# Allegro board RK_NVR_DEMO1_RK3588_LP4XD200P232SD8_V21_20211228_final_lint.brd (continued)
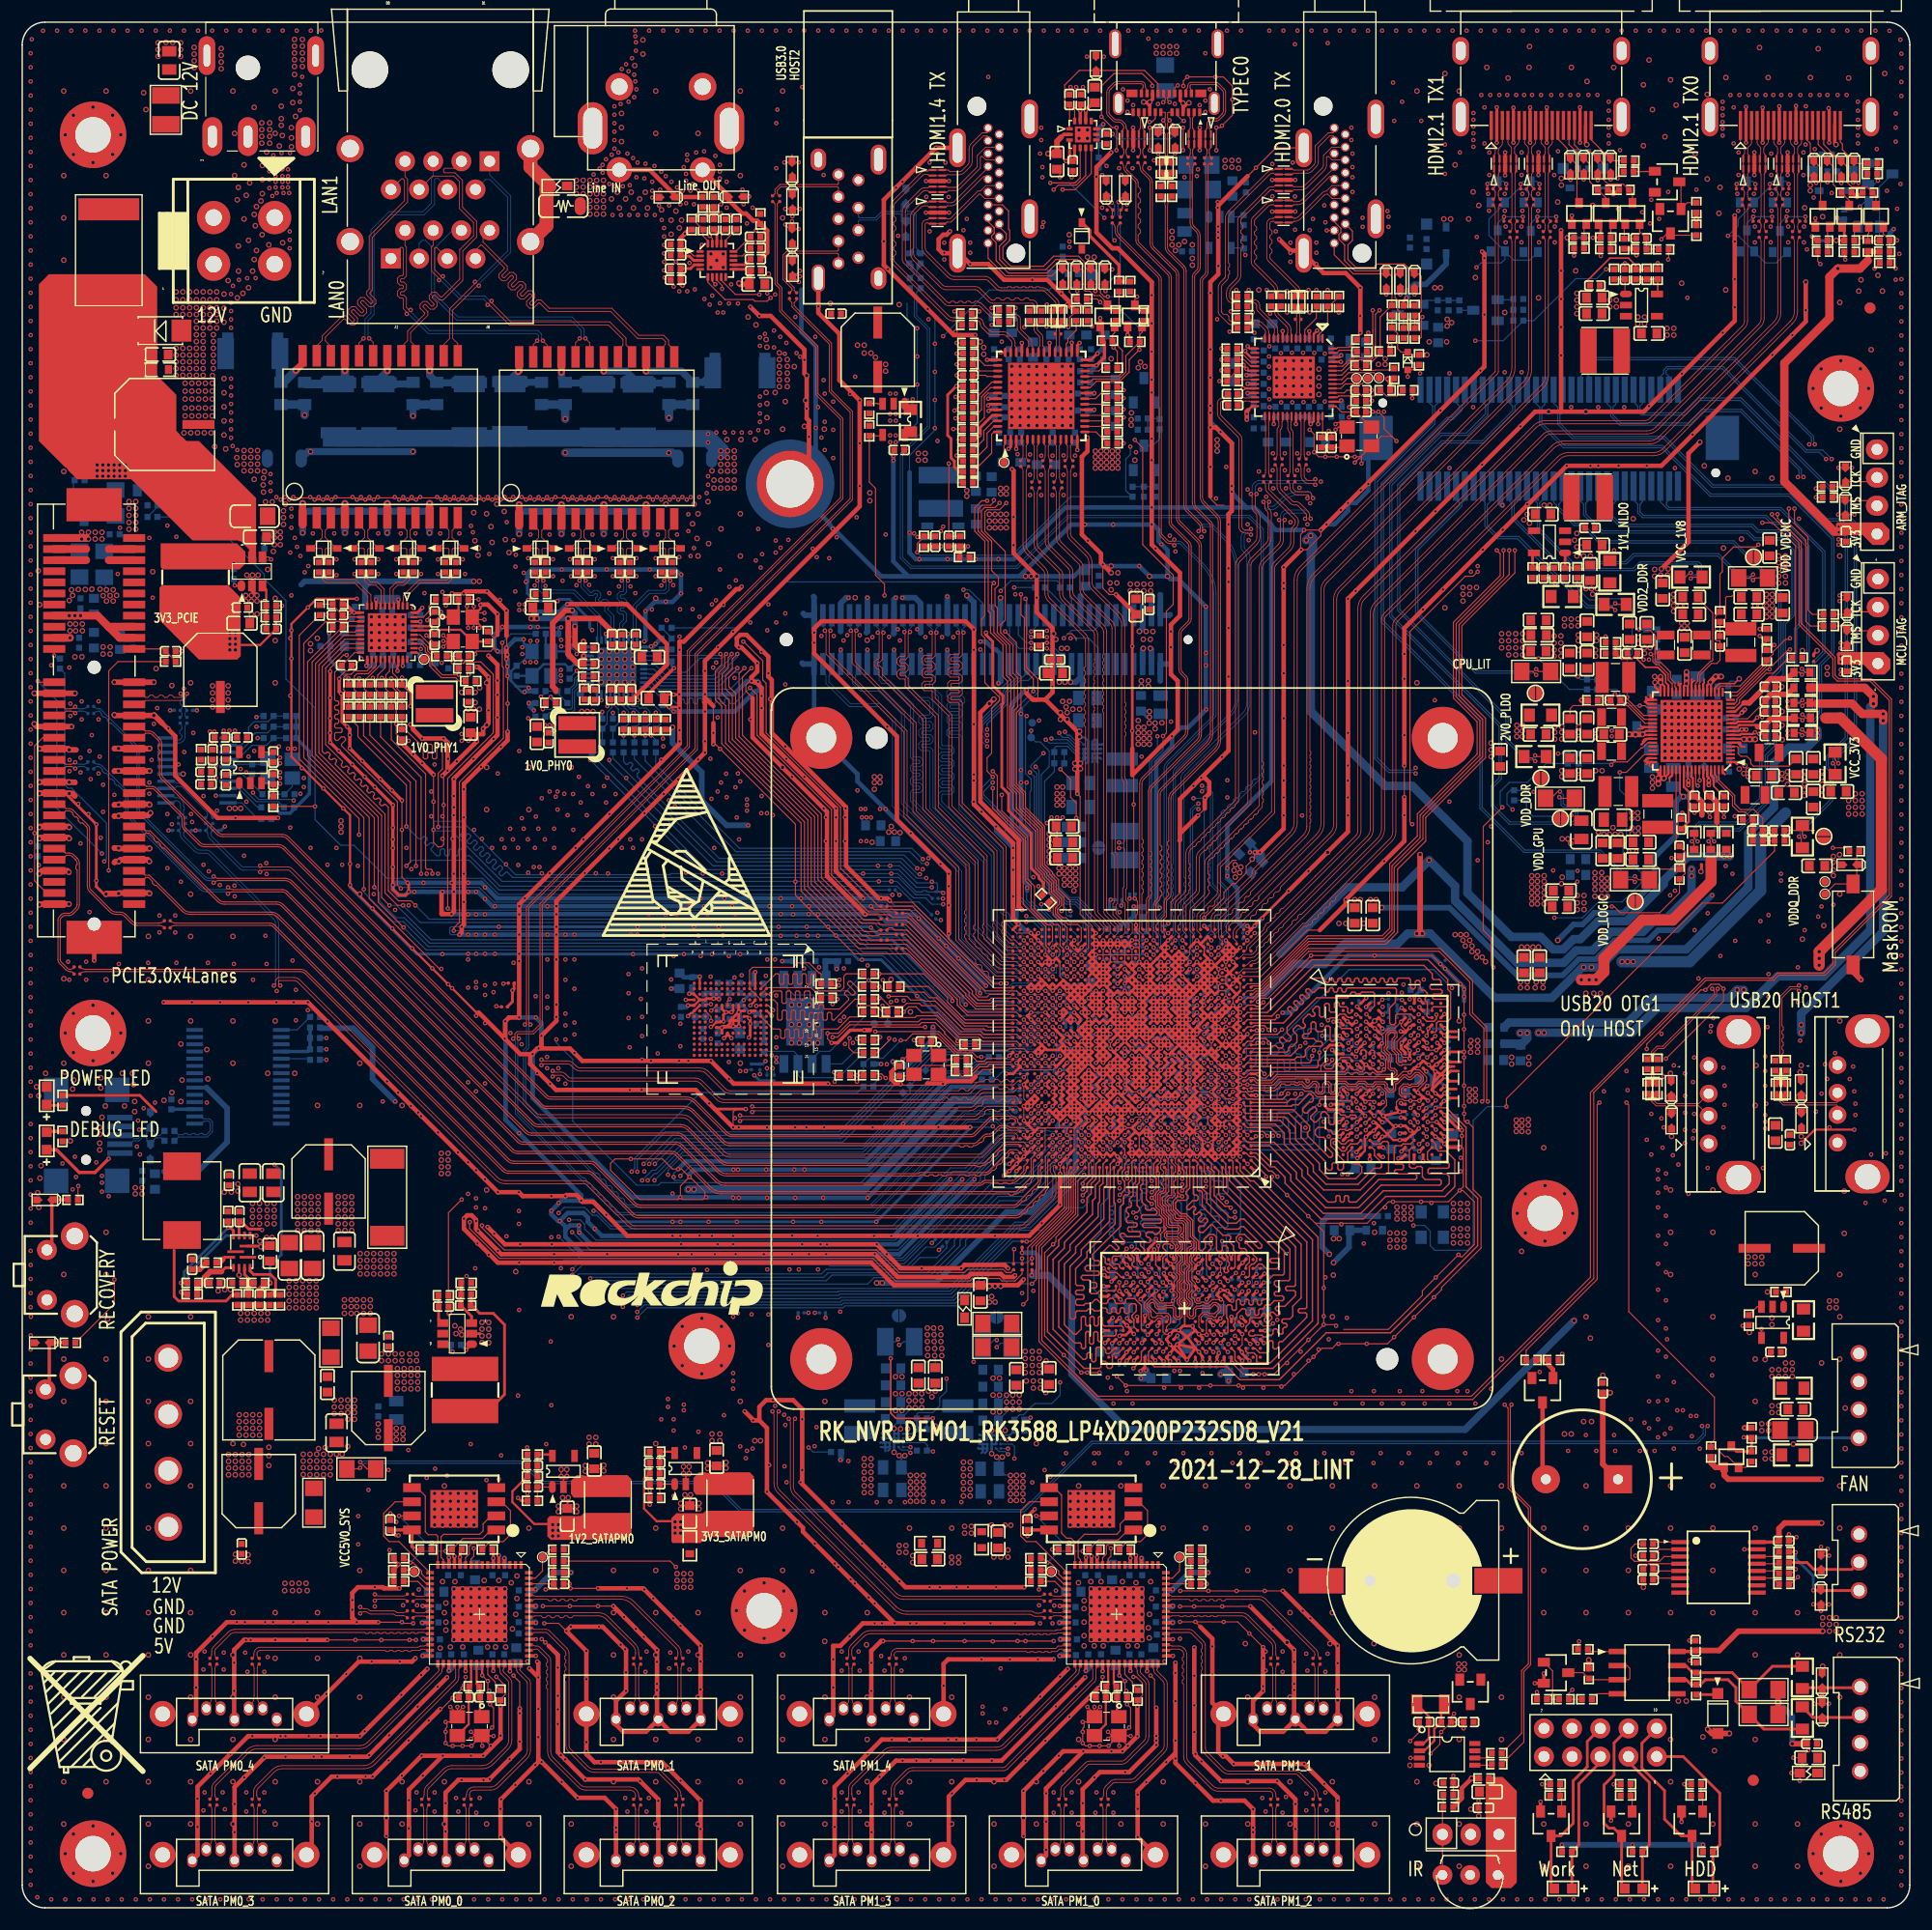
[diagram p0: board, top side]
## Routing (per net, layer and track width the routed paths; a pad name or vN(x,y) marks a point on that pad's centre or on a via; arc(x,y) is an arc through that point) (continued)
DDR_CH1_DQ9_C: length 26
  TOP w0.127: U3801.C11 110.25,50.19 110.42,50.03 110.97,50.03 111.22,49.77 111.22,49.27 111.35,49.14 112.49,49.14 116.25,52.91 116.25,60.23 110.96,65.52 110.67,65.52 109.75,66.44 109.75,67.06 109.42,67.39 U1000.B3
DDR_CH1_DQ9_D: length 27.9
  TOP w0.127: U1000.B22 97.07,67.39 U1000.B22 ; U1000.B22 96.74,67.05 96.74,65.69 96.31,65.27 96.31,64.38 95.93,64 95.93,62.73 93.39,60.19 93.39,59.68 92.38,58.67 92.38,51.94 95.68,48.63 97.08,48.63 97.2,48.76 97.2,49.14 97.33,49.27 97.58,49.27 97.71,49.14 97.71,48.76 97.84,48.63 98.09,48.63 98.23,48.77 98.23,49.79 98.42,49.98 98.74,49.98 U3801.Y11
DDR_CH1_DQ10_C: length 27.7
  TOP w0.127: U1000.A2 110.07,66.73 110.85,65.96 111.25,65.96 116.76,60.44 116.76,52.7 112.7,48.63 110.03,48.63 109.27,49.4 109.27,50.12 U3801.E11
DDR_CH1_DQ10_D: length 21.3
  TOP w0.127: U1000.A23 96.42,65.76 95.93,65.27 95.93,64.61 v1(95.55,64.23) ; U3801.V11 v1(100.15,50.09)
  L6-S2 w0.127: v1(95.55,64.23) 95.53,64.23 95.19,63.89 95.19,52.82 98.28,49.73 99.79,49.73 v1(100.15,50.09)
DDR_CH1_DQ11_C: length 23.2
  TOP w0.127: v1(108.63,50.11) U3801.F11 ; U1000.B2 v1(110.41,67.05)
  L6-S2 w0.089: v1(110.41,67.05) 110.41,66.56 111.05,65.92
  L6-S2 w0.127: 111.05,65.92 111.19,65.92 111.41,65.7 113.46,63.65 113.46,52.01 111.74,50.28 110.54,50.28 110.28,50.54 109.73,50.54 109.29,50.11 v1(108.63,50.11)
DDR_CH1_DQ11_D: length 24.6
  TOP w0.127: v1(100.12,48.63) 100.84,49.34 100.84,50.12 U3801.U11 ; v1(95.55,65.27) 95.55,65.4 96.11,65.95 96.11,67.07 U1000.B23
  L6-S2 w0.127: v1(95.55,65.27) 95.53,65.27 94.79,64.53 94.79,52.67 98.58,48.89 99.87,48.89 v1(100.12,48.63)
DDR_CH1_DQ12_C: length 25.4
  TOP w0.127: U3801.F9 108.3,51.88 108.39,51.79 108.54,51.79 108.64,51.9 108.64,52.31 108.63,52.32 108.63,53.07 108.53,53.18 108.53,54.24 108.63,54.35 108.89,54.35 109.01,54.22 109.01,53.97 109.12,53.87 109.3,53.87 109.4,53.97 109.4,54.73 109.52,54.86 109.66,54.86 109.77,54.74 109.77,54.46 109.88,54.35 110.04,54.35 110.15,54.46 110.15,54.74 110.26,54.86 110.42,54.86 110.53,54.74 110.53,54.46 110.64,54.35 110.8,54.35 110.91,54.46 110.91,54.74 111.02,54.86 111.18,54.86 111.29,54.74 111.29,54.46 111.41,54.35 111.56,54.35 111.68,54.46 111.68,54.74 111.79,54.86 112.06,54.86 112.29,55.08 112.29,56.6 112.73,57.04 113.59,57.04 113.71,57.16 113.71,59.18 108.22,64.68 108.22,66.04 108.12,66.13 108.12,66.74 U1000.A5
DDR_CH1_DQ12_D: length 26.3
  TOP w0.127: U3801.U9 100.96,52.04 100.83,52.16 100.83,54.33 100.24,54.92 99.53,54.92 99.42,54.8 99.42,54.6 99.29,54.48 98.59,54.48 98.46,54.6 98.46,54.74 98.26,54.94 98.02,54.94 97.82,54.74 97.82,54.6 97.7,54.48 97.2,54.48 96.85,54.83 96.67,54.83 96.31,54.48 95.81,54.48 95.65,54.32 95.04,54.32 94.92,54.45 94.92,54.73 95.04,54.86 95.55,54.86 95.68,54.98 95.68,55.16 95.57,55.27 95.03,55.27 94.92,55.39 94.92,55.57 95.03,55.68 95.57,55.68 95.68,55.79 95.68,55.97 95.55,56.1 95.04,56.1 94.92,56.22 94.92,57.61 95.93,58.63 95.93,59.12 98.47,61.66 98.47,63.49 98.37,63.59 U1000.A20
DDR_CH1_DQ13_C: length 26.2
  TOP w0.127: U1000.B5 108.44,67.07 108.44,66.22 108.53,66.13 108.53,65.08 114.22,59.39 114.22,56.64 114.11,56.53 112.94,56.53 112.82,56.42 112.82,56.18 113.02,55.98 113.2,55.98 113.33,55.85 113.33,55.67 113.2,55.54 112.94,55.54 112.82,55.43 112.82,55.27 112.94,55.16 113.55,55.16 113.67,55.04 113.67,54.86 113.55,54.73 112.82,54.73 112.44,54.35 112.06,54.35 111.94,54.22 111.94,54.09 111.83,53.99 111.52,53.99 111.41,53.88 111.41,53.53 111.3,53.42 111.14,53.42 111.03,53.53 111.03,53.88 110.92,53.99 110.76,53.99 110.65,53.88 110.65,53.53 110.54,53.42 110.38,53.42 110.27,53.53 110.27,53.88 110.16,53.99 109.9,53.99 109.44,53.53 109.44,53.28 109.28,53.11 109.28,52.71 109.17,52.6 109.17,52.42 109.28,52.32 109.28,52.15 109.15,52.02 108.97,52.02 U3801.E9
DDR_CH1_DQ13_D: length 27.9
  TOP w0.127: U1000.B20 98.37,67.39 98.04,67.05 98.04,64.83 97.97,64.76 97.97,61.87 95.43,59.33 95.43,58.84 94.41,57.82 94.41,53.21 94.54,53.08 94.79,53.08 94.92,53.21 94.92,53.68 95.04,53.81 95.9,53.81 96.06,53.97 96.44,53.97 96.6,53.81 97.05,53.81 97.31,54.07 97.62,54.07 97.75,53.94 97.75,53.71 97.87,53.59 98.05,53.59 98.16,53.7 98.16,53.98 98.28,54.09 98.43,54.09 98.55,53.98 98.55,53.7 98.66,53.59 98.82,53.59 98.93,53.7 98.93,53.98 99.04,54.09 99.2,54.09 99.31,53.98 99.31,53.7 99.42,53.59 99.62,53.59 99.74,53.71 99.74,54.32 99.87,54.45 100.25,54.45 100.38,54.32 100.38,53.79 100,53.41 100,53.21 100.17,53.03 100.17,52.37 U3801.V9
DDR_CH1_DQ14_C: length 24.7
  TOP w0.127: U1000.A4 108.77,65.56 114.73,59.6 114.73,56.13 114.62,56.02 113.95,56.02 113.84,55.91 113.84,55.75 113.95,55.64 114.62,55.64 114.73,55.53 114.73,55.19 113.76,54.22 113.04,54.22 112.92,54.09 112.92,53.97 113.04,53.84 113.2,53.84 113.33,53.71 113.33,53.53 113.19,53.4 113.01,53.4 112.72,53.69 112.54,53.69 112.44,53.59 112.44,53.43 112.6,53.28 112.6,53.1 112.31,52.82 112.02,52.82 111.94,52.9 111.94,53.08 112.06,53.21 112.06,53.46 111.94,53.59 111.81,53.59 111.68,53.46 111.68,53.33 111.54,53.19 110.71,53.19 110.59,53.07 110.59,52.72 110.25,52.39 U3801.C9
DDR_CH1_DQ14_D: length 26.6
  TOP w0.127: U1000.A21 97.72,65.15 97.46,64.89 97.46,62.1 94.92,59.56 94.92,59.05 93.9,58.03 93.9,52.57 94.76,51.71 94.96,51.71 95.43,52.17 95.43,53.2 95.53,53.3 95.71,53.3 95.81,53.2 95.81,52.57 95.92,52.46 96.09,52.46 96.2,52.57 96.2,53.19 96.32,53.3 96.47,53.3 96.59,53.19 96.59,52.57 96.7,52.46 96.85,52.46 96.97,52.57 96.97,53.19 97.08,53.3 97.24,53.3 97.35,53.19 97.35,52.57 97.46,52.46 97.57,52.46 97.58,52.44 99.08,52.44 99.2,52.32 U3801.Y9
DDR_CH1_DQ15_C: length 24.7
  TOP w0.127: U1000.B4 108.97,67.39 109.1,67.26 109.1,65.95 115.24,59.81 115.24,54.98 114.48,54.22 114.48,53.33 114.22,53.08 113.61,53.08 113.51,52.98 113.51,52.8 113.61,52.7 113.84,52.7 113.97,52.57 113.97,52.44 113.84,52.32 113.71,52.32 113.59,52.19 113.59,51.81 113.59,51.81 113.51,51.73 113.26,51.73 113.13,51.86 113.13,52.06 113,52.19 112.82,52.19 112.7,52.06 112.7,51.75 112.57,51.63 112.26,51.63 112.1,51.46 111.85,51.46 111.68,51.63 111.05,51.63 110.97,51.55 110.64,51.55 110.51,51.68 110.51,51.86 110.69,52.04 U3801.B9
DDR_CH1_DQ15_D: length 27.9
  TOP w0.127: U3801.AA9 98.55,51.68 98.43,51.56 97.43,51.56 97.3,51.43 97.3,51.16 97.19,51.05 97.04,51.05 96.92,51.16 96.92,51.82 96.81,51.94 96.65,51.94 96.54,51.82 96.54,50.93 96.43,50.82 96.27,50.82 96.16,50.93 96.16,51.84 96.05,51.95 95.92,51.95 95.81,51.84 95.81,50.52 95.7,50.41 95.54,50.41 95.43,50.52 95.43,50.81 95.32,50.92 94.83,50.92 93.39,52.36 93.39,58.24 94.41,59.26 94.41,59.77 96.95,62.31 96.95,63.49 97.08,63.62 97.08,65.02 97.39,65.33 97.39,67.05 97.72,67.39 U1000.B21
DDR_CH1_DQS0N_C: length 15.8
  TOP w0.102: U1000.D9 v1(105.85,68.36) ; v1(109.37,57.22) 109.34,57.22 U3801.E3
  L6-S2 w0.097: v1(105.85,68.36) 105.85,68.52 105.95,68.62 106.06,68.62 106.4,68.28 106.4,67.51 108.23,65.68 108.44,65.68 110.92,63.2 110.92,58.57 110.12,57.78 109.92,57.78 109.7,57.56 109.7,57.42 109.5,57.22 v1(109.37,57.22)
DDR_CH1_DQS0N_D: length 20.7
  TOP w0.102: v1(100.65,70.31) 100.97,70.64 U1000.G16 ; U3801.V3 v1(100.18,57.16)
  L6-S2 w0.097: v1(100.65,70.31) 100.65,70.43 100.45,70.63 100.31,70.63 100.12,70.43 100.12,70.11 100.58,69.64 100.58,67.71 101.08,67.2 101.08,66.91 100.88,66.7 100.51,66.7 100.4,66.6 100.4,66.46 100.51,66.35 100.8,66.35 101.02,66.13 101.02,65.82 100.8,65.6 100.65,65.6 100.55,65.5 100.55,65.36 100.65,65.25 100.79,65.25 101.01,65.03 101.01,64.59 100.75,64.32 100.75,64.16 101.01,63.9 101.01,61.87 100.74,61.59 100.24,61.59 100.15,61.5 100.15,61.38 100.24,61.29 100.81,61.29 101.01,61.08 101.01,60.78 100.81,60.58 100.24,60.58 100.15,60.49 100.15,60.36 100.25,60.27 100.75,60.27 100.96,60.06 100.96,59.72 100.86,59.63 100.86,59.48 100.96,59.39 100.96,58.63 100.74,58.41 100.4,58.41 100.12,58.13 100.12,57.62 99.92,57.41 99.92,57.26 100.02,57.16 v1(100.18,57.16)
DDR_CH1_DQS0P_C: length 15.9
  TOP w0.102: v1(110.02,57.22) 109.99,57.22 U3801.D3 ; U1000.E9 v1(105.85,69.01)
  L6-S2 w0.097: v1(110.02,57.22) 109.98,57.22 109.9,57.3 109.9,57.47 110.01,57.57 110.21,57.57 111.12,58.49 111.12,63.28 108.52,65.88 108.32,65.88 106.6,67.59 106.6,68.36 106.14,68.83 105.95,68.83 105.85,68.93 v1(105.85,69.01)
DDR_CH1_DQS0P_D: length 21
  TOP w0.089: U1000.H16 100.32,71.29 v1(100,70.96)
  TOP w0.102: U3801.W3 v1(99.53,57.16)
  L6-S2 w0.097: v1(100,70.96) 100,70.6 99.91,70.52 99.91,70.02 100.38,69.55 100.38,67.62 100.88,67.12 100.88,66.99 100.79,66.9 100.42,66.9 100.2,66.68 100.2,66.37 100.42,66.15 100.72,66.15 100.82,66.05 100.82,65.91 100.72,65.8 100.56,65.8 100.34,65.58 100.34,65.27 100.56,65.05 100.71,65.05 100.81,64.95 100.81,64.67 100.54,64.41 100.54,64.08 100.81,63.81 100.81,61.95 100.66,61.8 100.16,61.8 99.95,61.59 99.95,61.29 100.15,61.08 100.72,61.08 100.81,61 100.81,60.87 100.72,60.78 100.16,60.78 99.95,60.57 99.95,60.28 100.16,60.06 100.67,60.06 100.76,59.97 100.76,59.81 100.66,59.71 100.66,59.4 100.76,59.3 100.76,58.72 100.66,58.62 100.32,58.62 99.92,58.22 99.92,57.7 99.71,57.49 99.71,57.22 99.65,57.16 v1(99.53,57.16)
DDR_CH1_DQS1N_C: length 22.8
  TOP w0.102: v1(107.8,68.36) 108.12,68.69 U1000.D5 ; v1(109.28,50.91) U3801.E10
  L6-S2 w0.097: v1(107.8,68.36) 107.7,68.36 107.61,68.45 107.56,68.45 107.47,68.36 107.47,67.58 108.37,66.67 108.6,66.67 112.62,62.65 112.62,55.12 110.67,53.17 110.67,51.68 110.06,51.07 109.44,51.07 v1(109.28,50.91)
DDR_CH1_DQS1N_D: length 24.5
  TOP w0.102: U3801.V10 v1(100.18,50.91)
  TOP w0.119: U1000.E21 v1(98.05,69.01)
  L6-S2 w0.097: v1(98.05,69.01) 98.05,68.89 98.16,68.78 98.38,68.78 98.6,68.55 98.6,68.09 97.97,67.45 97.97,66.92 97.58,66.54 97.58,65.11 96.82,64.35 96.82,63.28 96.44,62.9 96.44,53.56 96.54,53.46 96.82,53.46 96.92,53.56 96.92,54.08 97.17,54.32 97.59,54.32 97.84,54.08 97.84,52.78 98.3,52.32 99.11,52.32 99.74,51.68 99.74,51.43 99.95,51.22 99.95,51.01 100.06,50.91 v1(100.18,50.91)
DDR_CH1_DQS1P_C: length 23.1
  TOP w0.102: v1(109.28,51.56) U3801.D10 ; U1000.E5 108.12,69.34 v1(107.8,69.01)
  L6-S2 w0.097: v1(109.28,51.56) 109.28,51.42 109.42,51.27 109.97,51.27 110.46,51.77 110.46,53.26 112.41,55.21 112.41,62.57 108.52,66.46 108.29,66.46 107.26,67.49 107.26,68.44 107.48,68.66 107.56,68.66 107.8,68.89 v1(107.8,69.01)
DDR_CH1_DQS1P_D: length 24.1
  TOP w0.102: U3801.W10 v1(99.53,50.91) ; U1000.D21 97.72,68.69
  TOP w0.119: 97.72,68.69 v1(98.05,68.36)
  L6-S2 w0.097: v1(98.05,68.36) 98.05,68.47 98.15,68.57 98.29,68.57 98.39,68.47 98.39,68.17 97.76,67.54 97.76,67.01 97.38,66.62 97.38,65.19 96.62,64.43 96.62,63.37 96.24,62.98 96.24,53.48 96.46,53.26 96.91,53.26 97.13,53.48 97.13,53.99 97.26,54.12 97.51,54.12 97.64,53.99 97.64,52.7 98.22,52.11 99.02,52.11 99.54,51.6 99.54,51.34 99.75,51.13 99.75,51.01 99.65,50.91 v1(99.53,50.91)
DDR_CH1_LP4/4X_CKE0/LP5_CS0_C: length 15.2
  TOP w0.127: U1000.D11 104.22,68.69 v1(104.55,68.36)
  BOTTOM w0.127: R3812.1 105.45,56.11 105.2,56.11 105.08,56.24 105.08,57.9 105.33,58.16 105.33,59.05 105.59,59.3 105.59,66.67 105.46,66.79 104.7,66.79 104.57,66.92 104.57,67.18 104.7,67.3 105.08,67.3 105.2,67.43 105.2,68.27 105.12,68.36 v1(104.55,68.36)
DDR_CH1_LP4/4X_CKE0/LP5_CS0_D: length 19
  TOP w0.127: v1(101.3,68.36) U1000.D16
  BOTTOM w0.089: 101.62,67.33 101.62,68.04 v1(101.3,68.36)
  BOTTOM w0.127: 101.62,67.33 101.78,67.18 101.78,66.03 102.16,65.65 102.16,62.98 102.03,62.86 101.52,62.86 101.39,62.98 101.39,63.24 101.27,63.37 101.01,63.37 100.76,63.11 100.76,62.6 100.96,62.4 102.54,62.4 102.66,62.27 102.66,62.1 102.54,61.97 100.89,61.97 100.76,61.84 100.76,61.66 100.89,61.53 102.08,61.53 102.28,61.33 102.79,61.33 103.12,61 103.12,60.04 103.17,59.99 103.17,58.29 102.82,57.93 102.82,57.83
DDR_CH1_LP4/4X_CKE0_C: length 1.9
  TOP w0.119: v1(106.67,55.72) U3801.J4
  BOTTOM w0.127: R3812.2 105.72,55.36 106.22,55.36 106.52,55.67 106.62,55.67 v1(106.67,55.72)
DDR_CH1_LP4/4X_CKE0_D: length 1.7
  TOP w0.119: v1(102.78,56.38) 102.78,56.36 U3801.P4
  BOTTOM w0.127: v1(102.78,56.38) 102.76,56.38 102.51,56.63 102.51,57.42 102.46,57.47
DDR_CH1_LP4/4X_CKE1/LP5_CS1_C: length 16.8
  TOP w0.127: v1(104.55,69.01) 104.22,69.34 U1000.E11
  BOTTOM w0.089: 104.19,67.3 104.19,67.54 104.22,67.58 104.22,68.69 v1(104.55,69.01)
  BOTTOM w0.127: R3813.1 105.46,54.24 105.33,54.11 104.94,54.11 104.7,54.35 104.7,58.16 104.95,58.41 104.95,66.11 104.19,66.87 104.19,67.3
DDR_CH1_LP4/4X_CKE1/LP5_CS1_D: length 19.9
  TOP w0.127: v1(101.3,69.01) U1000.E16
  BOTTOM w0.089: v1(101.3,69.01) 101.3,68.8 101.41,68.69 102.08,68.69 102.27,68.5 102.27,67.44 102.4,67.31
  BOTTOM w0.127: R3815.1 103.93,56.73 103.93,59.76 103.63,60.06 103.63,61.97 103.5,62.1 103.4,62.1 103.3,62.2 103.3,62.38 103.4,62.48 103.81,62.48 103.93,62.6 103.93,62.75 103.81,62.88 102.79,62.88 102.66,63.01 102.66,63.19 102.79,63.31 103.45,63.31 103.58,63.44 103.58,63.62 103.45,63.75 102.77,63.75 102.67,63.85 102.67,64.03 102.77,64.13 103.05,64.13 103.17,64.25 103.17,64.36 103.06,64.47 102.65,64.47 102.54,64.58 102.54,64.74 102.65,64.85 103.06,64.85 103.17,64.97 103.17,65.12 103.06,65.24 102.65,65.24 102.54,65.35 102.54,65.5 102.65,65.62 103.06,65.62 103.17,65.73 103.17,66.54 102.4,67.31
DDR_CH1_LP4/4X_CKE1_C: length 1.2
  TOP w0.119: v1(105.97,54.83) 105.97,54.85 U3801.J5
  BOTTOM w0.127: R3813.2 105.84,54.98 105.97,54.85 v1(105.97,54.83)
DDR_CH1_LP4/4X_CKE1_D: length 1.7
  TOP w0.119: v1(102.83,55.54) 102.83,55.51 U3801.P5
  BOTTOM w0.127: v1(102.83,55.54) 102.91,55.54 103.38,56 103.7,56 R3815.2
DDR_CH1_LP4/4X_CS0_C: length 20.1
  TOP w0.127: U3801.H4 107.28,56.31 107.28,56.33 v1(107.28,56.33) ; U1000.G11 v1(104.55,70.31)
  BOTTOM w0.089: v1(104.55,70.31) 105.01,70.31 105.52,69.8 105.52,69.53 105.71,69.34 105.98,69.34 106.17,69.15 106.17,68.77 106.48,68.45
  BOTTOM w0.127: v1(107.28,56.33) 107.28,56.51 106.73,57.06 106.73,59.05 107,59.31 107.3,59.31 107.62,59.63 107.62,61.21 107.74,61.33 108.51,61.33 108.63,61.46 108.63,62.6 108.38,62.86 108,62.86 107.62,63.24 107.62,64.25 107.74,64.38 108.51,64.38 108.63,64.51 108.63,65.65 106.55,67.73 106.55,68.39 106.48,68.45
DDR_CH1_LP4/4X_CS0_D: length 19.5
  TOP w0.127: U1000.E19 99.02,69.34 v1(99.35,69.01) ; v1(102.13,56.36) U3801.R4
  BOTTOM w0.089: v1(99.35,69.01) 99.35,68.53 99.02,68.21 99.02,67.41 99.11,67.33
  BOTTOM w0.127: 99.11,67.33 99.11,66.67 98.35,65.91 98.35,63.36 98.24,63.25 98.08,63.25 97.97,63.14 97.97,62.98 98.08,62.87 98.24,62.87 98.35,62.76 98.35,62.6 98.24,62.49 98.08,62.49 97.97,62.38 97.97,62.22 98.08,62.11 98.24,62.11 98.35,61.99 98.35,61.84 98.24,61.72 98.08,61.72 97.97,61.61 97.97,61.46 98.08,61.34 98.24,61.34 98.35,61.23 98.35,61.07 98.24,60.96 98.08,60.96 97.97,60.85 97.97,60.69 98.08,60.58 98.24,60.58 98.35,60.47 98.35,60.32 98.68,59.99 100.25,59.99 100.38,59.86 100.38,59.48 100,59.1 100,57.9 100.52,57.38 100.52,56.96 100.68,56.8 101.74,56.8 102.13,56.4 v1(102.13,56.36)
DDR_CH1_LP4/4X_CS1_C: length 19.2
  TOP w0.127: U3801.H3 107.29,57.12 v1(107.29,57.17) ; U1000.H11 v1(104.55,70.96)
  BOTTOM w0.089: 106.96,68.72 106.82,68.86 106.82,69.15 106.63,69.34 106.36,69.34 106.17,69.53 106.17,69.8 105.98,69.99 105.65,69.99 105.03,70.6 104.91,70.6 v1(104.55,70.96)
  BOTTOM w0.127: 106.96,68.72 106.96,67.96 109.78,65.14 109.78,60.95 109.59,60.76 108.62,60.76 108.49,60.63 108.49,57.89 108.28,57.68 107.84,57.68 107.34,57.17 v1(107.29,57.17)
DDR_CH1_LP4/4X_CS1_D: length 19.7
  TOP w0.127: U3801.R3 102.15,57.14 v1(102.15,57.14) ; U1000.D19 99.02,68.69 99.35,68.36 v1(99.35,67.71)
  BOTTOM w0.127: v1(102.15,57.14) 101.64,57.65 100.76,57.65 100.45,57.95 100.45,58.36 100.76,58.67 100.76,58.82 101.06,59.12 101.06,60.14 100.71,60.49 99.06,60.49 98.85,60.7 98.85,63.11 99.24,63.49 99.24,63.89 99.47,64.13 100.27,64.13 100.38,64.24 100.38,64.39 100.27,64.51 99.47,64.51 99.36,64.62 99.36,64.78 99.47,64.89 100.27,64.89 100.38,65 100.38,65.16 100.27,65.27 100.15,65.27 100,65.42 100,66.64 100.25,66.9 100.25,67.1 100.15,67.2 99.95,67.2 99.74,67 99.54,67 99.44,67.1 99.44,67.62 v1(99.35,67.71)
DDR_RESET: length 89.7
  TOP w0.127: U1000.T4 108.77,76.49 v1(109.1,76.16) ; U3801.T11 101.48,50.12 101.48,49.31 v1(101.65,49.14) 102.02,48.77 108.55,48.77 109.7,47.62 113.28,47.62 117.5,51.84 123.29,51.84 131.14,59.68 131.14,63.95 130.1,64.99 130.1,70.35 128.33,72.12 127.35,72.12 v1(127.35,72.11) U3800.T11
  L6-S2 w0.127: v1(127.35,72.11) 127.49,72.26 128.19,72.26 128.83,72.89 v1(128.83,82.92)
  BOTTOM w0.089: 110.07,76.49 109.42,76.49 v1(109.1,76.16)
  BOTTOM w0.127: v1(127.35,72.11) 127.51,72.28 C3844.1 ; v1(128.83,82.92) 127.18,84.57 119.56,84.57 113.46,78.48 111.17,78.48 110.31,77.61 110.31,76.73 110.07,76.49 ; C3888.1 101.27,49.48 101.61,49.14 v1(101.65,49.14)
DEBUG0_USB_DM: length 5.2
  BOTTOM w0.084: R9104.2 12.55,69.41 12.04,69.41 11.86,69.23 11.86,69.08 D9101.1 11.22,69.12 11.22,69.38 11.12,69.48 10.87,69.48 10.52,69.13 10.01,69.13 9.71,68.83 J9100.2
DEBUG0_USB_DP: length 5.4
  BOTTOM w0.084: R9105.2 12.4,69.61 11.97,69.61 11.86,69.73 11.86,70.05 D9100.1 11.23,70.1 11.23,69.79 11.12,69.69 10.78,69.69 10.43,69.34 10.08,69.34 9.78,69.63 J9100.3
DEBUG0_USBDM: length 6.5
  BOTTOM w0.084: R9104.1 14.06,69.48 16.68,69.48 17.14,69.94 17.14,70.86 16.89,71.12 16.38,71.12 16.15,71.34 U9100.16
DEBUG0_USBDP: length 6.1
  BOTTOM w0.084: U9100.15 16.16,70.69 16.38,70.91 16.8,70.91 16.94,70.77 16.94,70.03 16.6,69.69 16.37,69.69 16.25,69.81 16.02,69.81 15.9,69.69 15.67,69.69 15.55,69.81 15.33,69.81 15.21,69.69 14.98,69.69 14.86,69.81 14.63,69.81 14.51,69.69 14.06,69.69 R9105.1
DP1_AUXN: length 55.8
  TOP w0.076: C5100.1 108.28,136.14 arc(108.23,136.11) 108.18,136.1 arc(107.84,135.96) 107.69,135.62 107.69,134.71 arc(107.74,134.47) 107.88,134.26 109.5,132.64 arc(109.59,132.5) 109.62,132.34 109.62,124.5 arc(109.66,124.3) 109.78,124.13 109.81,124.1 arc(110.01,123.97) 110.25,123.92 110.39,123.92 arc(110.57,123.88) v1(110.72,123.78)
  TOP w0.102: v1(104.55,87.21) 104.87,86.89 U1000.AM10
  BOTTOM w0.076: v1(104.55,87.21) 104.51,87.25 104.51,87.69 104.75,87.93 104.82,88 104.82,88.23 104.75,88.31 104.68,88.38 104.68,88.61 104.75,88.68 104.82,88.76 104.82,88.99 104.75,89.06 104.68,89.13 104.68,89.36 104.75,89.44 104.82,89.51 104.82,89.74 104.75,89.81 104.68,89.89 104.68,90.12 104.75,90.19 104.82,90.26 104.82,90.49 104.75,90.57 104.68,90.64 104.68,90.87 104.75,90.94 104.82,91.02 104.82,91.25 104.75,91.32 104.68,91.4 104.68,91.62 104.75,91.7 104.82,91.77 104.82,92 104.75,92.07 104.68,92.15 104.68,92.38 104.75,92.45 104.82,92.53 104.82,92.75 104.75,92.83 104.68,92.9 104.68,101.79 arc(104.71,101.99) 104.82,102.15 110.14,107.47 arc(110.49,107.99) 110.61,108.61 110.61,121.78 arc(110.56,122.04) 110.41,122.27 110.21,122.47 arc(110.13,122.58) 110.11,122.72 110.11,123.57 arc(110.2,123.8) 110.43,123.89 110.45,123.89 arc(110.59,123.86) v1(110.72,123.78)
DP1_AUXP: length 55.3
  TOP w0.076: C5101.1 108.31,135.77 arc(108.25,135.81) 108.18,135.82 arc(108.03,135.76) 107.97,135.62 107.97,134.71 arc(108,134.57) 108.07,134.46 109.7,132.83 arc(109.85,132.61) 109.9,132.34 109.9,124.5 arc(109.92,124.41) 109.98,124.33 110.01,124.3 arc(110.12,124.22) 110.25,124.2 110.51,124.2 arc(110.62,124.22) v1(110.72,124.28)
  TOP w0.102: v1(104.55,86.56) 104.87,86.24 U1000.AL10
  BOTTOM w0.076: v1(104.55,86.56) 104.22,86.89 104.22,87.79 104.4,87.97 104.4,101.79 arc(104.46,102.09) 104.63,102.35 109.95,107.67 arc(110.23,108.1) 110.34,108.61 110.34,121.78 110.34,121.78 arc(110.3,121.94) 110.21,122.07 110.01,122.27 arc(109.88,122.48) 109.83,122.72 109.83,123.57 arc(110,124) 110.43,124.17 110.45,124.17 arc(110.59,124.2) v1(110.72,124.28)
DP1_HPDIN_M2: length 257.7
  TOP w0.102: R5135.2 125.4,138.64 D5102.1 v1(124.84,138.02) ; U1000.A25 95.12,66.57 94.71,66.16 94.71,62.71 91.62,59.61 91.62,51.04 96.84,45.82 130.68,45.82 141.6,56.74 141.6,73.5 151.72,83.61 157.81,83.61 158.27,84.07 162.45,84.07 163.35,84.97 163.35,86.11 168.43,91.18 168.43,108.96 166.6,110.79 163.67,110.79 163.35,111.11 163.35,112.73 160.3,115.78 160.3,123.13 158.16,125.27 158.16,125.61 v1(158.16,125.62) ; R5100.1 108.58,137.69 R5101.1 v1(107.87,137.62)
  L4-S1 w0.102: v1(108.48,129.89) 108.48,134.26 107.67,135.07 107.67,137.42 v1(107.87,137.62)
  L6-S2 w0.102: v1(158.16,125.62) 158.15,125.62 157.8,125.27 157.4,125.27 156.44,126.23 140.59,126.23 136.01,121.66 122.1,121.66 117.63,126.13 110.82,126.13 109.6,127.35 109.6,128.26 108.48,129.38 v1(108.48,129.89) ; v1(107.87,137.62) 108.48,137.01 108.48,136.59 109.29,135.78 109.29,134.15 110.21,133.24 111.22,133.24 111.83,132.63 121.28,132.63 124.84,136.19 v1(124.84,138.02)
DP1_TX0N: length 5.5
  TOP w0.076: U5100.30 112.37,134.03 112.31,133.97 112.31,129.49 112.31,129.38 arc(112.34,129.23) 112.42,129.11 C1409.2
DP1_TX0P: length 5.5
  TOP w0.076: C1408.2 111.92,129.11 arc(112,129.23) 112.03,129.38 112.03,129.61 112.03,129.61 112.03,131.91 112.03,133.97 111.97,134.03 U5100.29
DP1_TX1N: length 4
  TOP w0.076: U5100.33 113.57,134.03 113.51,133.97 113.51,133.56 arc(113.48,133.41) 113.39,133.27 arc(113.36,133.22) 113.35,133.17 113.35,131.01 arc(113.39,130.79) 113.51,130.6 C1411.2
DP1_TX1P: length 4
  TOP w0.076: U5100.32 113.17,134.03 113.23,133.97 113.23,133.61 arc(113.21,133.52) 113.16,133.44 arc(113.09,133.34) 113.07,133.21 113.07,131.01 arc(113.02,130.79) 112.9,130.6 C1410.2
DP1_TX2N: length 5.5
  TOP w0.076: U5100.35 114.37,134.03 114.31,133.97 114.31,133.39 arc(114.33,133.31) 114.37,133.24 arc(114.47,133.1) 114.5,132.93 114.5,129.48 arc(114.54,129.28) 114.66,129.1 C1414.2
DP1_TX2P: length 5.5
  TOP w0.076: C1413.2 114.07,129.1 arc(114.18,129.28) 114.22,129.48 114.22,132.93 arc(114.21,132.99) 114.18,133.04 arc(114.07,133.2) 114.03,133.39 114.03,133.97 113.97,134.03 U5100.34
DP1_TX3N: length 3.9
  TOP w0.076: C1416.2 115.67,130.61 arc(115.55,130.79) 115.51,131.01 115.51,133.97 115.57,134.03 U5100.38
DP1_TX3P: length 3.9
  TOP w0.076: C1415.2 115.07,130.61 arc(115.19,130.79) 115.23,131.01 115.23,133.97 115.17,134.03 U5100.37
DP1AUXN: length 1.7
  TOP w0.076: C5100.2 109.63,136.34 arc(109.9,136.16) 110.21,136.1 110.58,136.1 110.64,136.16 U5100.26
DP1AUXP: length 1.7
  TOP w0.076: C5101.2 109.67,135.6 arc(109.92,135.76) 110.21,135.82 110.58,135.82 110.64,135.76 U5100.27
DP1TX0N: length 45.4
  TOP w0.076: C1409.1 112.46,128.52 arc(112.35,128.35) 112.31,128.16 112.31,127.93 arc(112.32,127.89) 112.34,127.86 114.84,125.36 arc(114.95,125.2) 114.98,125.01 114.98,124.89 arc(114.93,124.63) 114.78,124.4 114.68,124.3 arc(114.6,124.19) 114.58,124.05 114.58,123.11 arc(114.5,122.71) 114.27,122.37 113.05,121.15 112.99,121.09 arc(112.89,120.93) 112.85,120.74 112.85,98.7 107.97,93.82 107.97,91.57 arc(107.92,91.3) 107.77,91.08 107.44,90.74 107.44,90.46 107.28,90.29 106.99,90.29 106.83,90.13 106.83,89.85 106.66,89.68 106.38,89.68 106.14,89.45 arc(106.13,89.42) 106.12,89.39 106.12,88.24 U1000.AP8
DP1TX0P: length 45.8
  TOP w0.076: C1408.1 111.88,128.52 arc(111.99,128.35) 112.03,128.16 112.03,127.93 arc(112.06,127.78) 112.14,127.66 114.64,125.16 arc(114.69,125.09) 114.7,125.01 114.7,124.89 arc(114.67,124.73) 114.58,124.6 114.48,124.5 arc(114.35,124.29) 114.3,124.05 114.3,123.11 arc(114.24,122.81) 114.07,122.57 112.86,121.35 112.8,121.29 arc(112.63,121.04) 112.57,120.74 112.57,98.81 107.69,93.94 107.69,91.57 arc(107.66,91.41) 107.57,91.27 105.95,89.65 arc(105.87,89.53) 105.84,89.39 105.84,88.11 106.17,87.78 U1000.AN8
DP1TX1N: length 51.2
  TOP w0.076: U1000.AN9 105.52,87.78 105.18,88.12 105.18,89.76 arc(105.22,89.98) 105.35,90.17 106.47,91.29 arc(106.53,91.38) 106.55,91.48 106.55,94.12 106.55,94.15 arc(106.6,94.41) 106.75,94.63 111.45,99.33 111.45,120.76 arc(111.53,121.13) 111.74,121.45 113.16,122.87 arc(113.31,123.09) 113.36,123.35 113.36,124.84 arc(113.33,124.99) v1(113.25,125.11) ; C1411.1 113.51,130.09 arc(113.39,129.9) 113.35,129.68 113.35,128.16 arc(113.39,127.94) 113.52,127.75 113.54,127.73 114.45,126.81 arc(114.53,126.76) 114.63,126.74 114.79,126.74 arc(114.98,126.7) 115.14,126.59 115.85,125.89 arc(115.96,125.72) 116,125.52 116,125.29 116.08,125.21 v1(116.1,125.21)
  BOTTOM w0.076: v1(116.1,125.21) 116.08,125.21 116,125.29 116,125.5 arc(115.85,125.86) 115.5,126 113.97,126 arc(113.54,125.82) 113.36,125.39 113.36,125.22 v1(113.25,125.11)
DP1TX1P: length 51.1
  TOP w0.076: U1000.AP9 105.46,88.25 105.46,89.76 arc(105.48,89.87) 105.55,89.97 106.78,91.2 arc(106.82,91.26) 106.83,91.33 106.96,91.45 106.96,91.68 106.83,91.81 106.83,92.04 106.96,92.16 106.96,92.39 106.83,92.52 106.83,92.75 106.96,92.88 106.96,93.1 106.83,93.23 106.83,94.15 arc(106.86,94.3) 106.95,94.43 107.16,94.65 107.22,94.65 107.22,94.64 107.27,94.64 107.44,94.81 107.44,94.86 107.44,94.86 107.44,94.92 107.6,95.08 107.65,95.08 107.71,95.08 107.87,95.24 107.87,95.3 107.87,95.35 108.03,95.52 108.09,95.52 108.15,95.52 108.31,95.68 108.31,95.73 108.31,95.79 108.47,95.95 108.53,95.95 108.58,95.95 108.74,96.11 108.74,96.17 108.74,96.23 108.91,96.39 108.96,96.39 109.02,96.39 109.18,96.55 109.18,96.61 109.18,96.66 109.34,96.82 109.4,96.82 109.45,96.82 109.62,96.99 109.62,97.04 109.62,97.1 109.78,97.26 109.83,97.26 109.89,97.26 110.05,97.42 110.05,97.48 110.05,97.53 110.21,97.7 110.27,97.7 110.33,97.7 110.49,97.86 110.49,97.91 110.49,97.97 110.65,98.13 110.7,98.13 110.76,98.13 110.92,98.29 110.92,98.35 110.92,98.41 111.08,98.57 111.14,98.57 111.14,98.57 111.2,98.57 111.36,98.73 111.36,98.79 111.36,98.79 111.36,98.84 111.73,99.22 111.73,99.61 111.83,99.71 111.83,99.94 111.73,100.04 111.73,100.27 111.83,100.37 111.83,100.6 111.73,100.7 111.73,100.93 111.83,101.03 111.83,101.26 111.73,101.36 111.73,101.59 111.83,101.69 111.83,101.92 111.73,102.02 111.73,102.25 111.83,102.35 111.83,102.58 111.73,102.68 111.73,102.91 111.83,103.01 111.83,103.24 111.73,103.34 111.73,120.76 arc(111.79,121.03) 111.94,121.25 113.36,122.67 arc(113.56,122.98) 113.64,123.35 113.64,124.84 arc(113.67,124.99) v1(113.75,125.11) ; v1(115.59,125.21) 115.64,125.21 115.72,125.29 115.72,125.52 arc(115.7,125.61) 115.65,125.69 114.95,126.4 arc(114.88,126.44) 114.79,126.46 114.63,126.46 arc(114.43,126.5) 114.25,126.62 113.34,127.53 113.32,127.55 arc(113.13,127.83) 113.07,128.16 113.07,129.68 arc(113.02,129.9) 112.9,130.09 C1410.1